# Altium PCB INF_PRO_V2.0.PcbDoc (continued)
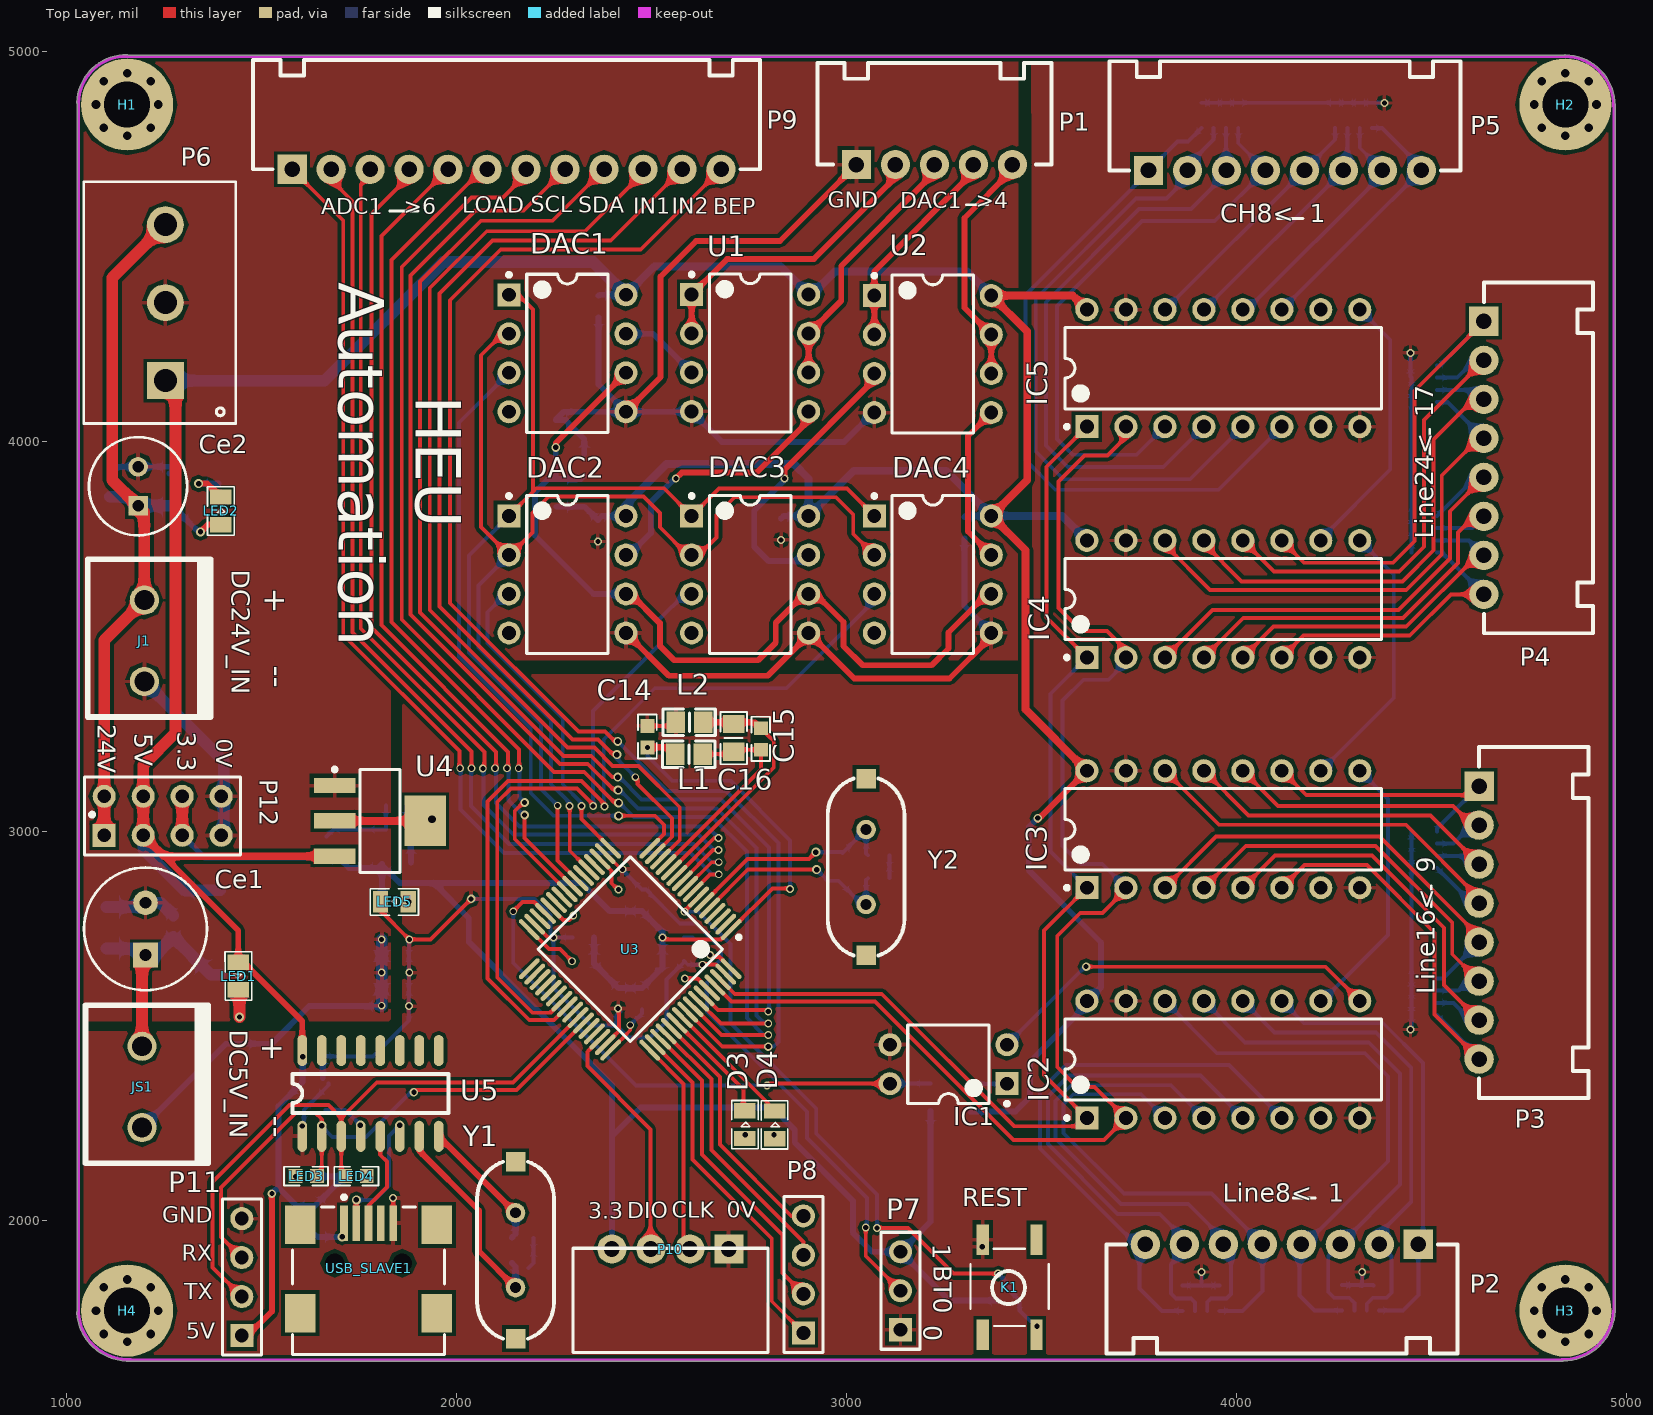
[diagram p0: Top Layer view]
## Part data
C1 C2 C3 C4 C5 C6 C9 C12 C13 C14 C15 C17 C18 C19 C20 C21 C22 C23 C24 C25 C*1: library part Cap, "Capacitor"
C7 C8 C10 C11 C16: library part "Cap Pol", "Polarized Capacitor (Axial)"
Ce1 Ce2: library part "Cap Elec"
D1 D2: library part "D Zener", "Zener Diode"
D3 D4 LED1 LED2 LED3 LED4 LED5: library part LED, "Typical RED, GREEN, YELLOW, AMBER GaAs LED"
DAC1 DAC2 DAC3 DAC4: library part TLC5616_DAC
F1 F2: "Fuse"
F3: library part "Fuse 1", "Fuse"
J1 JS1: library part HEAD2
L1 L2: library part Inductor, "Inductor"
P1: "Header, 5-Pin"
P2 P3 P4 P5: "Header, 8-Pin"
P6 P7: "Header, 3-Pin"
P8 P10 P11: "Header, 4-Pin"
P9: "Header, 12-Pin"
P12: "Header, 4-Pin, Dual row"
R1 R2 R3 R4 R5 R6 R7 R8 R9 R10 R11 R12 R13 R14 R15 R16 R17 R18 R19 R20 R21 R22: library part RES_SMD, "Resistor"
Rf1 Rf2 Rf3 Rf4 Rf5 Rf6 Rf7 Rf8: library part RES_4P
U1 U2: library part AD8667, "双运放"
U3: library part STM32F103RBT6
U5: "USB2UART"
USB_SLAVE1: library part USB5
Y1 Y2: "Crystal Oscillator"

## Via types
v1: diameter 20, hole 13, Top Layer to Bottom Layer, 57 vias
v2: diameter 23, hole 14, Top Layer to Bottom Layer, 22 vias
v3: diameter 22, hole 13, Top Layer to Bottom Layer, 9 vias
v4: diameter 30, hole 20, Top Layer to Bottom Layer, 1 vias

## Nets (pads, with @x,y where several pads share a name; then routed paths per layer and width w, separated by ;. In a path a pad name is that pad's centre, name@x,y a point inside that pad or via, vN(x,y) a via of type N, cw(c..) or ccw(c..) an arc to the next point about the centre after c; other vN are vias at no path point)
165CLK: IC2.2 IC3.2 IC4.2 IC5.2 U3.61 | length 3654.3
  Top Layer w10: U3.61 2705.27,2563 3074,2563 3429,2208 3660.97,2208 IC2.2 3637.03,2344 3592,2344 3541,2395 3541,2731 3600,2790 3657,2790 3717,2850 IC3.2 ; IC4.2@3717,3431 IC4.2 3717,3465 3669,3513 3603,3513 3544,3572 3544,3896 3611,3963 3670,3963 3717,4010 IC5.2
  Bottom Layer w10: IC3.2 3656.53,2915 3602,2915 3555,2962 3555,3335 3608,3388 3672,3388 3717,3433 IC4.2
165DATA: IC1.4 R1.1 U3.29 | length 1439
  Top Layer w10: v1(2146,2794) 2170,2818 2199.73,2818 U3.29 ; v1(2797,2347) 2802,2352 IC1.4
  Bottom Layer w10: v1(2146,2794) 2146,2662 2461,2347 v1(2797,2347) ; IC1.4@3112.43,2352.43 R1.1
165SH: IC2.1 IC3.1 IC4.1 IC5.1 U3.62 | length 3152.2
  Top Layer w10: U3.62 2714.11,2582 3091,2582 3430,2243 3595.97,2243 IC2.1 3507,2374.03 3507,2744.53 IC3.1 ; U3.62@2679.58,2615.57 U3.62@2694.63,2600.51 ; IC4.1 3514,3548.03 3514,3934 IC5.1
  Bottom Layer w10: IC3.1 3524,2947.53 3524,3352.03 IC4.1
595LOAD: P9.7 U3.57 | length 3188.4
  Top Layer w10: P9.7 2179,4684 2120,4625 2039,4625 1860,4446 1860,3542 2251,3151 2328,3151 2407,3072 v2(2416,3072) ; U3.57 2679.92,2477 v1(2800,2477)
  Bottom Layer w10: v2(2416,3072) 2419.06,3072 2455.06,3036 2656,3036 2745,2947 2745,2520 2788,2477 v1(2800,2477)
595SCL: P9.8 U3.58 | length 3183.9
  Top Layer w10: P9.8 2173,4591 2049,4591 1883,4425 1883,3555 2266,3172 2337,3172 2404,3105 v2(2415,3105) ; U3.58 2678.76,2506 v1(2800,2506)
  Bottom Layer w10: v2(2415,3105) 2419.06,3105 2466.06,3058 2668,3058 2770,2956 2770,2527 2791,2506 v1(2800,2506)
595SDK: P9.9 U3.59 | length 3187.1
  Top Layer w10: P9.9 2247,4565 2063,4565 1907,4409 1907,3560 2275,3192 2346,3192 2400,3138 v2(2414,3138) ; U3.59 2671.6,2541 2796,2541 v1(2800,2537)
  Bottom Layer w10: v2(2414,3138) 2418.06,3138 2475.06,3081 2679,3081 2802,2958 2802,2544 v1@2797,2539
ADC1: P9.1 U3.8 | length 2634.4
  Top Layer w10: P9.1 1710,4566 1710,3503 2008,3205 v1@2008,3157 ; U3.8 2651.06,2888.14 2672.14,2888.14 v1(2673,2889)
  Bottom Layer w10: v1@2011,3157 2011,3055 2122,2944 2601,2944 2656,2889 v1(2673,2889)
  other v1: 2010,3161
ADC2: P9.2 U3.9 | length 2580.7
  Top Layer w10: P9.2 1679,4670 1734,4615 1734,3509 2039,3204 v1(2039,3161) ; U3.9 2655.08,2920 v1(2673,2920)
  Bottom Layer w10: v1@2038,3160 2038,3064 2135,2967 2608,2967 2655,2920 v1(2673,2920)
ADC3: P9.3 U3.10 | length 2543.2
  Top Layer w10: P9.3 1779,4681 1755,4657 1755,3519.43 2072,3202.43 v1@2072,3163 ; U3.10 2658.24,2951 v1(2672,2951)
  Bottom Layer w10: v1@2070,3160 2070,3067 2146,2991 2621,2991 2661,2951 v1(2672,2951)
  other v1: 2068,3160
ADC4: P9.4 U3.11 | length 2548.4
  Top Layer w10: P9.4 1879,4678 1783,4582 1783,3522 2102,3203 v1@2102,3162 ; U3.11 2661.4,2982 v1(2672,2982)
  Bottom Layer w10: v1@2102,3160 2102,3072 2162,3012 2643,3012 v1@2672.5,2982.5
  other v1: 2099,3161
ADC5: P9.5 U3.24 | length 2104.1
  Top Layer w10: P9.5 1808,4526 1808,3528 2133,3203 v1@2133,3162 ; v3(2175,3041) 2175,2981.92 U3.24
  Bottom Layer w10: v1@2134,3153 2134,3078.64 v3@2173.32,3039.32
  other v1: 2130,3161
ADC6: P9.6 U3.25 | length 2171.1
  Top Layer w10: P9.6 2067,4697 1834,4464 1834,3536.04 2161,3209.04 2161,3162 v1(2160,3161) ; v3(2175,3073) 2171.64,3073 2150,3051.36 2150,2979.08 U3.25
  Bottom Layer w10: v1(2160,3161) 2162,3159 2162,3086 v3(2175,3073)
AGND: C1.2 C2.2 C3.2 C4.2 C5.1 C6.1 C7.2 C8.2 C9.1 C10.2 C*1.2 Ce1.2 Ce2.2 D1.1 D2.1 DAC1.5 DAC2.5 DAC3.5 DAC4.5 J1.2 JS1.2 P1.1 P6.2 P12.4 P12.8 R3.2 R5.1 R6.1 R7.1 R10.1 R12.2 U1.4 U2.4 U4.1 | length 5705.3
  Top Layer w15: DAC2.5 2545,3398 2799,3398 2903.5,3502.5 DAC3.5 3020.5,3391 3265,3391 3372,3498 DAC4.5 ; DAC1.5 2524,4164 2524,4422 2615,4513 2830,4513 P1.1
  Bottom Layer w10: D1.1 1684.87,3003.87 1819.44,3003.87 C6.1
  Bottom Layer w15: C*1.2 1130.44,3934 Ce2.2 1278.15,3934 C10.2 C10.2@1264.41,3916.56 ; Ce1.2@1192.22,2805.15 Ce1.2 ; JS1.2 1409.23,2454.57 R10.1 1526.57,2454.57 1623,2551 R7.1 ; C5.1 2328,4005 2278.57,4054.43 R3.2 2275.57,4075 DAC1.5 ; C1.2 2365,4145 DAC1.5 ; U2.4 3070,4073 2995,3998 2681.5,3998 U1.4 2602.5,4075 DAC1.5 ; C4.2 3303,3577 DAC4.5
  Bottom Layer w30: C8.2 Ce1.2@1192.22,2805.15 ; J1.2 1404,3179.34 1404,2996 P12.4 ; Ce1.2 1241.63,2815.93 C9.1 ; R7.1 v1(1808.57,2552) v1(1808.57,2637) v1(1808.57,2722)
  other v1: 2363,3742.44 2833,3746.44
BEEP: P9.12 U3.56 | length 3475.9
  Top Layer w10: v2@2408,3228 2381,3255 2313,3255 1984,3584 1984,4361 2114,4491 2473,4491 P9.12 ; U3.56 2682.08,2447 v3@2789,2447
  Bottom Layer w10: v2(2414,3230) 2422.5,3221.5 2422.56,3221.5 2437.5,3206.56 2437.5,3206.5 2541,3103 2692,3103 2826,2969 2826,2459 2814,2447 v3(2800,2447)
BOOT0: P7.2 R9.1 | length 997.9
  Top Layer w10: v1(3050,1983) 3050,1910 P7.2
  Bottom Layer w10: R9.1 2642.56,2536.44 2899,2280 2899,2213 3053,2059 v1@3053,1983
CH1: IC5.11 P5.8 Rf7.1 | length 681.7
  Bottom Layer w10: IC5.11 4317,4537 4318,4537 P5.8 4475,4701 4373.5,4802.5 Rf7.1
CH2: IC5.12 P5.7 Rf7.2 | length 644.4
  Bottom Layer w10: IC5.12 4028,4337 4375,4684 P5.7 4316.75,4752.25 Rf7.2
CH3: IC5.13 P5.6 Rf7.3 | length 618.6
  Bottom Layer w10: IC5.13 3918,4337 P5.6 4285.25,4704.25 Rf7.3
CH4: IC5.14 P5.5 Rf7.4 | length 647
  Bottom Layer w10: IC5.14 3818,4337 P5.5 4253.76,4772.76 Rf7.4
CH5: IC5.3 P5.4 Rf8.1 | length 1480.9
  Bottom Layer w10: IC5.3 3745,3965 3580,3965 3540,4005 3540,4346 3758,4564 3945,4564 P5.4 4005.24,4763.76 Rf8.1
CH6: IC5.4 P5.3 Rf8.2 | length 1555
  Bottom Layer w10: IC5.4 3813,3933 3568,3933 3512,3989 3512,4356 3751,4595 3884,4595 3975,4686 P5.3 3973.75,4695.25 Rf8.2
CH7: IC5.5 P5.2 Rf8.3 | length 1680.5
  Bottom Layer w10: Rf8.3 3942.25,4773.25 3875,4706 P5.2 3875,4676 3821,4622 3743,4622 3486,4365 3486,3973 3557,3902 3882,3902 IC5.5
CH8: IC5.6 P5.1 Rf8.4 | length 1814.8
  Top Layer w10: IC5.6@4112,4037 IC5.6
  Bottom Layer w10: Rf8.4 3876.26,4768 3849,4768 P5.1 3775,4690 3460,4375 3460,3951 3536,3875 3955,3875 IC5.6
CH340_D+: U5.5 USB_SLAVE1.3 | length 249.5
  Top Layer w10: USB_SLAVE1.3 1775,2040 1822,2087 1822,2152 1805,2169 U5.5
CH340_D-: U5.6 USB_SLAVE1.2 | length 324.4
  Top Layer w10: USB_SLAVE1.2 v2@1743.5,2053.5
  Bottom Layer w10: v2(1744,2054) 1790,2054 1827,2091 1827,2218 v2(1855,2246)
DAC_CS1: DAC1.3 U3.16 | length 1658.2
  Top Layer w10: v2(2416,3039) 2510,3039 2533,3016 2533,2992.79 U3.16
  Bottom Layer w10: DAC1.3 2007,4047 2007,3447 2190.94,3263.06 2190.94,3097 2248.94,3039 v2(2416,3039)
DAC_CS2: DAC2.3 U3.17 | length 810.4
  Top Layer w10: v1(2321,3064) 2321,3030.79 U3.17
  Bottom Layer w10: DAC2.3 2127,3608 2080,3561 2080,3482 2273,3289 2273,3120 2321,3072 v1(2321,3064)
DAC_CS3: DAC3.3 U3.39 | length 1605.3
  Top Layer w10: U3.39 2241.24,2534 2195,2534 2105,2624 2105,3074 2140,3109 2309.94,3109 2351,3067.94 v1(2351,3064)
  Bottom Layer w10: v1(2351,3064) 2351,3308 2520,3477 2520,3542 2586,3608 DAC3.3
DAC_CS4: DAC4.3 U3.40 | length 2100.2
  Top Layer w10: U3.40 2250.08,2515 2187.13,2515 2080,2622.13 2080,3075.87 2132.13,3128 2320.94,3128 2380,3068.94 v1(2380,3063)
  Bottom Layer w10: v1(2380,3063) 2378,3065 2378,3235 2509,3366 2847,3366 3072,3591 DAC4.3
DAC_IN: DAC1.1 DAC2.1 DAC3.1 DAC4.1 U3.23 | length 2691.7
  Top Layer w10: DAC2.1 2197,3870 2197,4337 2159,4375 DAC1.1 ; 2197,3871 2204.93,3878.93 2532.57,3878.93 DAC3.1 2673.5,3878 3002,3878 DAC4.1 ; v1(2260,3065) 2260,2924.76 U3.23
  Bottom Layer w10: DAC2.1 2033,3706 2033,3458 2217,3274 2217,3108 v1(2260,3065)
DAC_SCLK: DAC1.2 DAC2.2 DAC3.2 DAC4.2 U3.21 | length 2891.7
  Top Layer w10: DAC1.2 2118,4275 2063,4220 2063,3780 DAC2.2 2138,3708 2195,3765 2195,3816 2237,3858 2480,3858 2522,3816 2522,3779 2593,3708 DAC3.2 2622,3708 2667,3753 2667,3810 2713,3856 2974,3856 3018,3812 3018,3762 DAC4.2 ; v1@2291,3064 2291,2949.44 U3.21
  Bottom Layer w10: DAC2.2 2057,3630 2057,3471 2243,3285 2243,3120 2290,3073 v1(2290,3064)
GND: C11.2 C12.1 C13.2 C14.1 C17.2 C18.2 C19.2 C20.1 C21.1 C22.1 C23.1 C24.2 C25.2 IC1.3 IC2.8 IC2.15 IC3.8 IC3.15 IC4.8 IC4.15 IC5.8 IC5.15 K1.1 L2.1 LED5.2 P7.1 P10.1 P11.4 R5.2 R6.2 R7.2 R14.1 Rf1.5 Rf1.6 Rf1.7 Rf1.8 Rf2.5 Rf2.6 Rf2.7 Rf2.8 Rf3.5 Rf3.6 Rf3.7 Rf3.8 Rf4.5 Rf4.6 Rf4.7 Rf4.8 Rf5.5 Rf5.6 Rf5.7 Rf5.8 Rf6.5 Rf6.6 Rf6.7 Rf6.8 Rf7.5 Rf7.6 Rf7.7 Rf7.8 Rf8.5 Rf8.6 Rf8.7 Rf8.8 U3.18 U3.31 U3.47 U3.63 U5.1 USB_SLAVE1.5 | length 4805
  Top Layer w10: LED5.2 1805.57,2795.87 v1(1879.43,2722) 1934,2722 v3(2038,2826) ; USB_SLAVE1.5 v1(1838,2059) ; U3.31 2235.05,2727 v1(2249,2727) ; U3.47 2417,2487.05 2417,2543 v1(2415,2545) ; U3.18 2382.94,2941.98 2422.92,2902 v1(2426,2902) ; C14.1 L2.1@2553.13,3269.56 ; v1(2631,2657) 2631.84,2657.84 2664.44,2657.84 2664.44,2657 2666.95,2657 U3.63
  Bottom Layer w10: v1(1605,2244) 1609.44,2248.44 C13.2 1609.44,2285.11 1641.04,2316.72 1641.16,2316.72 1672.43,2347.99 C11.2 ; C12.1 1786,2422 1878.43,2514.43 v1(1878.43,2551) 1878.43,2721 v1(1879.43,2722) ; v3(2038,2826) 2200.44,2826 R14.1 2241.44,2734.56 v1(2249,2727) ; C22.1@2185,1879.44 C22.1 C21.1 ; C20.1 v1(2249,2727) ; C18.2@2421,2537 2411,2527 2411,2501.05 ; v1(2426,2902) 2426,2899.56 C19.2 2486.44,2849.56 2573,2763 2615,2763 2679,2699 2679,2671 2665,2657 v1(2631,2657) 2593.56,2657 C17.2 2583.56,2663.35 2539,2618.79 2539,2512 2497,2470 2442.05,2470 2411,2501.05 ; C24.2 C25.2 ; Rf2.5 Rf2.6 3908,1834.5 ; Rf8.5 Rf8.6 Rf8.7 Rf8.8 Rf7.5 Rf7.6 Rf7.7 Rf7.8 4379.5,4867.5 v1(4380,4867) ; v1(3911,1869) 3911,1837.5 3908,1834.5 ; Rf2.8 Rf2.7 3908,1834.5 ; Rf1.5 Rf1.6 4320.5,1835.5 4323,1833 Rf1.7@4323,1835.5 ; v1(4323,1869) Rf1.7@4323,1835.5 ; 4352,1834 4350.5,1835.5 Rf1.7 Rf1.7@4323,1835.5 ; v1(4447,2491) 4449.5,2493.5 Rf4.5 Rf4.6 Rf4.7 Rf4.8 Rf3.5 Rf3.6 Rf3.7 Rf3.8 ; v1(4447,4226) 4447,4165.25 Rf5.7 Rf5.6 Rf5.5 Rf6.8 Rf6.7 Rf6.6 Rf6.5 ; v1(2249,2727) 2249,2597 2344.95,2501.05 2411,2501.05
  Bottom Layer w15: C11.2@1657.56,2366.87 C12.1
  other v1: 1879.43,2637
  other v2: 3349,1934
INT1: P9.10 U3.14 | length 2508
  Top Layer w10: P9.10 2479,4687 2330,4538 2078,4538 1932,4392 1932,3567 2285,3214 2354,3214 2401,3167 2467,3167 2573,3061 2573,2977.11 U3.14
INT2: P9.11 U3.15 | length 2498.9
  Top Layer w10: v2(2412,3196) 2402,3196 2363,3235 2298,3235 1957,3576 1957,4378 2093,4514 2396,4514 P9.11 ; v1(2459,3138) 2465,3132 2465,3121 2553.21,3032.79 2553.21,2985.16 U3.15
  Bottom Layer w10: v2(2412,3196) 2412,3185 v1(2459,3138)
LED0: D3.2 U3.54 | length 288.2
  Top Layer w10: U3.54 2736,2337.4 D3.2@2736,2290
LED1: D4.2 U3.55 | length 337.5
  Top Layer w10: U3.55 2816,2285.24 D4.2
LINE1: IC2.11 P2.1 Rf1.1 | length 1145
  Bottom Layer w10: IC2.11 4174.03,2507 4377,2507 4479,2405 4479,1952 P2.1 4467,1810 4427.5,1770.5 Rf1.1
LINE2: IC2.12 P2.2 Rf1.2 | length 1217.7
  Bottom Layer w10: IC2.12 4098.03,2483 4358,2483 4449,2392 4449,2050 4367,1968 P2.2 4398,1909 4398,1816 4385,1803 4351,1803 4334.75,1786.75 Rf1.2
LINE3: IC2.13 P2.3 Rf1.3 | length 1314.5
  Bottom Layer w10: IC2.13 4023.03,2458 4340,2458 4420,2378 4420,2093 P2.3 4236,1909 4236,1818 4251,1803 4290,1803 4303.25,1789.75 Rf1.3
LINE4: IC2.14 P2.4 Rf1.4 | length 1433.7
  Bottom Layer w10: IC2.14 3951.03,2430 4330,2430 4389,2371 4389,2153 4162,1926 4162,1809 4200.5,1770.5 Rf1.4
LINE5: IC2.3 P2.5 Rf2.1 | length 1249.3
  Bottom Layer w10: IC2.3 3756.03,2325 3582,2325 3557,2300 3557,2225 3712,2070 3937,2070 P2.5 4067,1820 4016.5,1769.5 Rf2.1
LINE6: IC2.4 P2.6 Rf2.2 | length 1305.8
  Bottom Layer w10: IC2.4 3833.03,2348 3577,2348 3537,2308 3537,2211 3705,2043 3877,2043 3967,1953 P2.6 3987,1920 3987,1813 3975,1801 3935,1801 3925.75,1791.75 Rf2.2
LINE7: IC2.5 P2.7 Rf2.3 | length 1387
  Bottom Layer w10: Rf2.3 3894.25,1790.75 3884,1801 3846,1801 3833,1814 3833,1889 3867,1923 P2.7 3867,1955 3804,2018 3696,2018 3517,2197 3517,2319 3571,2373 3908.03,2373 IC2.5
LINE8: IC2.6 P2.8 Rf2.4 | length 1455.5
  Bottom Layer w10: Rf2.4 3809.5,1769.5 3752,1827 3752,1940 3743,1940 3497,2186 3497,2333 3564,2400 3981.03,2400 IC2.6
LINE9: IC3.11 P3.1 Rf3.1 | length 702.1
  Top Layer w10: IC3.11 4179.53,3092 4600,3092 P3.1
  Bottom Layer w10: Rf3.1 4514.5,3006.5 P3.1
LINE10: IC3.12 P3.2 Rf3.2 | length 791.9
  Top Layer w10: IC3.12 4107.53,3064 4556,3064 4605,3015 P3.2
  Bottom Layer w10: Rf3.2 4556.75,2967.75 4604,3015 P3.2
LINE11: IC3.13 P3.3 Rf3.3 | length 922.5
  Top Layer w10: IC3.13 4031.53,3040 4498,3040 P3.3
  Bottom Layer w10: Rf3.3 4601.75,2936.25 P3.3
LINE12: IC3.14 P3.4 Rf3.4 | length 1099.9
  Top Layer w10: IC3.14 3955.53,3016 4435,3016 4623,2828 P3.4
  Bottom Layer w10: Rf3.4 4604.26,2815 P3.4
LINE13: IC3.3 P3.5 Rf4.1 | length 1128.4
  Top Layer w10: IC3.3 3948.47,2986 4367,2986 4623,2730 P3.5
  Bottom Layer w10: Rf4.1 4530.24,2622.24 P3.5
LINE14: IC3.4 P3.6 Rf4.2 | length 1060.2
  Top Layer w10: IC3.4 4024.47,2962 4357,2962 4554,2765 4554,2684 P3.6
  Bottom Layer w10: Rf4.2 4570.75,2590.75 4595,2615 P3.6
LINE15: IC3.5 P3.7 Rf4.3 | length 1027.9
  Top Layer w10: IC3.5 4099.47,2937 4348,2937 4533,2752 4533,2605 P3.7
  Bottom Layer w10: Rf4.3 4556.75,2559.25 4601,2515 P3.7
LINE16: IC3.6 P3.8 Rf4.4 | length 1017.2
  Top Layer w10: IC3.6 4175.47,2913 4335,2913 4509,2739 4509,2529 P3.8
  Bottom Layer w10: Rf4.4 4623,2419.26 P3.8
LINE17: IC4.11 P4.1 Rf5.1 | length 1191.3
  Top Layer w10: IC4.11 4174.03,3688 4402,3688 4457,3743 4457,4129 P4.1
  Bottom Layer w10: Rf5.1 4522.24,4194.24 P4.1
LINE18: IC4.12 P4.2 Rf5.2 | length 1204.9
  Top Layer w10: IC4.12 4097.03,3665 4418,3665 4482,3729 4482,4054 P4.2
  Bottom Layer w10: Rf5.2 4566.75,4162.75 4611,4207 P4.2
LINE19: IC4.13 P4.3 Rf5.3 | length 1256.6
  Top Layer w10: IC4.13 3917,3737 4014,3640 4426,3640 4506,3720 4506,4004 4609,4107 P4.3
  Bottom Layer w10: Rf5.3 4610.75,4131.25 P4.3
LINE20: IC4.14 P4.4 Rf5.4 | length 1316
  Top Layer w10: IC4.14 3817,3734 3933,3618 4436,3618 4527,3709 4527,3912 4622,4007 P4.4
  Bottom Layer w10: Rf5.4 4542.24,4099.76 P4.4
LINE21: IC4.3 P4.5 Rf6.1 | length 1241.6
  Top Layer w10: IC4.3 3938.97,3567 4416,3567 4548,3699 4548,3820 P4.5
  Bottom Layer w10: Rf6.1 4613.26,3907 P4.5
LINE22: IC4.4 P4.6 Rf6.2 | length 1047.2
  Top Layer w10: IC4.4 4017.97,3546 4428,3546 4569,3687 4569,3766 4610,3807 P4.6
  Bottom Layer w10: Rf6.2 4604.75,3776.75 P4.6
LINE23: IC4.5 P4.7 Rf6.3 | length 862.9
  Top Layer w10: IC4.5 4095.97,3524 4436,3524 4619,3707 P4.7
  Bottom Layer w10: Rf6.3 4596.75,3745.25 P4.7
LINE24: IC4.6 P4.8 Rf6.4 | length 749.8
  Top Layer w10: IC4.6 4172.97,3501 4445,3501 4551,3607 P4.8
  Bottom Layer w10: Rf6.4 4528.24,3713.76 P4.8
NetC5_2: C5.2 DAC1.6 DAC2.6 DAC3.6 DAC4.6 R3.1 R4.2 | length 2251.3
  Top Layer w15: v2(2255,3983.57) 2255,3995 DAC1.6 ; DAC2.6 2447,3608 2522,3533 2522,3475 2559,3438 2774,3438 2819,3483 2819,3534 2893,3608 DAC3.6 2921,3608 2993,3536 2993,3474 3042,3425 3219,3425 3262,3468 3262,3509 3361,3608 DAC4.6
  Bottom Layer w15: v2(2255,3983.57) 2255,3904.43 R4.2 ; C5.2 2318.99,3902.43 R4.2 ; DAC2.6 2352,3608 2202,3758 2202,3869 2235.43,3902.43 R4.2
NetC6_2: C6.2 C7.1 F1.1 U4.2 U4.4 | length 450.2
  Top Layer w20: U4.2 U4.4
  Bottom Layer w15: C6.2 1874.56,3005.87 C7.1 ; F1.1@1883.43,2919 C7.1 ; v4(1938,3030) 1905,2997 C7.1
NetC8_1: C8.1 C9.2 Ce1.1 F2.1 JS1.1 | length 596
  Top Layer w30: JS1.1 1194,2673.07 Ce1.1
  Bottom Layer w30: C8.1 1186.22,2698.85 Ce1.1 1227.63,2682.07 C9.2 1370.71,2631.73 F2.1
NetC13_1: C13.1 U5.4 | length 105.6
  Bottom Layer w10: C13.1 1715,2285 v2(1754,2246)
NetC21_2: C21.2 U5.8 Y1.1 | length 346.1
  Top Layer w15: U5.8 2151,2021 Y1.1
  Bottom Layer w15: C21.2 2152,1966.56 Y1.1
NetC22_2: C22.2 U5.7 Y1.2 | length 557.5
  Top Layer w15: U5.7 1905,2180 2058,2027 2058,1922.87 Y1.2
  Bottom Layer w15: C22.2 2152,1882.44 Y1.2
NetD3_1: D3.1 R20.2
  other v1: 2741,2221
NetD4_1: D4.1 R21.2
  other v1: 2815,2221
NetDAC1_7: DAC1.7 U1.3 | length 209.5
  Bottom Layer w15: DAC1.7 2504.5,4275 U1.3
NetDAC2_7: DAC2.7 U1.5 | length 670.9
  Top Layer w10: U1.5@2903.5,4052.5 U1.5
  Top Layer w15: v1(2563,3904) 2578,3919 2770,3919 U1.5@2903.5,4052.5
  Bottom Layer w15: DAC2.7 2443,3708 2499,3764 2499,3843 v1@2555,3899
NetDAC3_7: DAC3.7 U2.3 | length 744.9
  Top Layer w10: U2.3@3072,4157 U2.3
  Top Layer w15: v1(2842,3904) 2842,3927 U2.3@3072,4157
  Bottom Layer w10: DAC3.7@2887.5,3692 DAC3.7 ; U2.3@3059,4173 U2.3
  Bottom Layer w15: v1@2844,3902 2764,3822 2764,3729 2801,3692 DAC3.7@2887.5,3692
NetDAC4_7: DAC4.7 U2.5 | length 414.7
  Top Layer w15: DAC4.7 3312,3768 3312,4013 U2.5
NetF3_1: F3.1 USB_SLAVE1.1 | length 73.5
  Bottom Layer w10: F3.1 F3.1@1645.57,1959
  Bottom Layer w15: F3.1@1645.57,1959 v2(1707,1959)
NetIC1_1: IC1.1 R2.2 | length 94.2
  Bottom Layer w10: R2.2 3411.43,2351.43 IC1.1
NetIC1_2: IC1.2 IC2.9 | length 1024.3
  Top Layer w10: v3(3615,2652) 4229.03,2652 IC2.9
  Bottom Layer w10: IC1.2 3612,2652 v3(3615,2652)
NetIC2_10: IC2.10 IC3.9 | length 693.3
  Bottom Layer w10: IC2.10 4220.03,2564.03 4389,2733 4389,3082.53 IC3.9
NetIC3_10: IC3.10 IC4.9 | length 704
  Bottom Layer w10: IC3.10 4404,3341.53 4404,3658.03 IC4.9
NetIC4_10: IC4.10 IC5.9 | length 698
  Bottom Layer w10: IC4.10 4217,3749 4395,3927 4395,4259 IC5.9
NetLED1_2: LED1.2 R10.2 | length 70.8
  Top Layer w30: LED1.2 1444,2589.57 v2(1444,2523)
NetLED2_2: LED2.2 R12.1 | length 112.6
  Top Layer w15: v2(1339,3891) 1361.43,3891 LED2.2@1389,3863.43
  Bottom Layer w15: v2(1339,3891) 1389.57,3891 R12.1
NetLED3_1: LED3.1 R15.1
  other v2: 1588.44,2114
NetLED4_1: LED4.1 R17.2
  other v2: 1771.56,2113
NetLED5_1: LED5.1 R22.1
  other v2: 1878.43,2819
NetP1_2: P1.2 U1.1 U1.2 | length 779.8
  Top Layer w15: U1.2 U1.1 2694.5,4467 2917,4467 3126,4676 P1.2
NetP1_3: P1.3 U1.6 U1.7 | length 666.6
  Top Layer w15: U1.6 U1.7 2987,4359.5 2987,4449 3226,4688 P1.3
NetP1_4: P1.4 U2.1 U2.2 | length 541.2
  Top Layer w15: U2.2 U2.1 3072,4435 3326,4689 P1.4
NetP1_5: P1.5 U2.6 U2.7 | length 615.5
  Top Layer w15: U2.6 U2.7 3303,4342 3303,4572 3426,4695 P1.5
NetR8_1: R8.1 U3.64 | length 154.5
  Top Layer w10: v1(2651,2682) 2656.16,2676.84 2674.96,2676.84 U3.64
  Bottom Layer w10: R8.1 2606,2727 v1(2651,2682)
NetR9_2: R9.2 U3.60 | length 76
  Top Layer w10: v1(2586,2622) 2618.44,2622 U3.60
NetR11_1: R11.1 U3.48 | length 137.5
  Top Layer w10: U3.48 2395.89,2439.07 2413.46,2456.64 2414.1,2456.64 2429.53,2472.07 2429.53,2472.71 2446,2489.18 v1(2446,2502)
  Bottom Layer w10: v1(2446,2502) 2476,2532 R11.1
NetR13_2: R13.2 U3.19 | length 98.7
  Top Layer w10: U3.19 2398,2898.11 2398,2866 2414,2850 v1(2415.56,2850)
NetR14_2: R14.2 U3.28 | length 74.5
  Top Layer w10: U3.28 2273.56,2772 2289,2772 v1(2300,2783)
NetR16_2: R16.2 U3.32 | length 143.5
  Top Layer w10: U3.32 2237.21,2697 2266,2697 v1(2297,2666)
OSC_IN: C24.1 R18.2 U3.5 Y2.2 | length 548.3
  Top Layer w10: U3.5 2747.44,2901 v2(2924,2901)
  Bottom Layer w10: v2(2924,2901) 2952.67,2872.33 R18.2 3040.56,2811.64 Y2.2 3050.87,2874.32 C24.1
OSC_OUT: C25.1 R18.1 U3.6 Y2.1 | length 563.2
  Top Layer w10: U3.6 2746.6,2928 2904,2928 v2(2922,2946)
  Bottom Layer w10: v2(2922,2946) 2987.5,2946 2990.3,2943.2 Y2.1 3050.87,2942.2 C25.1
PA4: U3.20
PA6: U3.22
PA8: U3.41
PA9: LED4.2 P11.2 U3.42 U5.3 | length 1603
  Top Layer w10: P11.2 1375,1881 1375,2100 1572,2297 1672,2297 1705,2264 ; LED4.2@1705,2125.44 U5.3 1705,2264 ; U3.42 2145.76,2355 1796,2355 1705,2264
PA10: LED3.2 P11.3 U3.43 U5.2 | length 1507.4
  Top Layer w10: P11.3 1397,1959 1397,2086 1588,2277 1639,2277 1655,2261 v2(1655,2244) U5.2 1655,2127.44 LED3.2 ; v3@1891,2336 2154.6,2336 U3.43
  Bottom Layer w10: v2(1655,2244) 1655,2242 1682,2215 1768,2215 1889,2336 1891,2334 v3(1891,2330)
PA11: U3.44
PA12: U3.45
PA15: P8.1 U3.50 | length 891.9
  Top Layer w10: U3.50@2512.55,2448.53 2606,2355.08 2606,2158 2809,1955 2809,1794 P8.1
PB0: U3.26
PB1: U3.27
PB11: U3.30
PB12: U3.33
PB13: U3.34
PB14: U3.35
PB15: U3.36
PC6: U3.37 | length 5.1
  Top Layer w10: U3.37@2240.26,2587.73 2240.26,2589.66 2241.81,2591.21 U3.37
PC7: U3.38
PC10: P8.2 U3.51 | length 796.1
  Top Layer w10: U3.51@2530,2460 2630,2360 2630,2170 2836,1964 2836,1867 P8.2
PC11: P8.3 U3.52 | length 712.7
  Top Layer w10: U3.52 2654,2363.72 2654,2182 2890,1946 P8.3
PC12: P8.4 U3.53 | length 639
  Top Layer w10: U3.53 2676,2369.56 2676,2196 2859,2013 P8.4
PC13: U3.2
PC14: U3.3
PC15: U3.4
RESET: C23.2 K1.2 R19.2 U3.7 | length 1626.3
  Top Layer w10: v1(2585,2793) 2585,2794.24 U3.7 ; v1(3079,1982) 3158,1982 3275,1865 v1(3389.44,1865)
  Bottom Layer w10: v1(2585,2793) 2620,2793 2703,2710 2703,2508 2923,2288 2923,2224 3079,2068 v1(3079,1982) ; v1(3389.44,1865) 3412.84,1841.6 3412.84,1841.48 3419,1835.33 3419,1821.67 3444.56,1796.11 R19.2 3444.56,1770.44 3485,1730 v3(3489,1730)
SWCLK: P10.2 U3.49 | length 552.7
  Top Layer w10: U3.49 2583,2351.21 2583,1944 P10.2
SWDIO: P10.3 U3.46 | length 667.6
  Top Layer w10: 2341,2438.89 U3.46 2336,2433.89 2336,2397 2498,2235 P10.3@2498,1917
VCC5: C1.1 C2.1 C3.1 C4.1 C11.1 C12.2 DAC1.8 DAC2.8 DAC3.8 DAC4.8 F2.2 F3.2 IC2.16 IC3.16 IC4.16 IC5.16 LED1.1 P6.1 P11.1 P12.2 P12.6 R2.1 R4.1 R15.2 R17.1 U1.8 U2.8 U4.3 U5.16 | length 10920.1
  Top Layer w15: 1250.55,2935.45 1441,2745 LED1.1 1453.57,2663.43 1605,2512 U5.16 ; P11.1 1465,1706 1527,1768 v3(1527,2070) ; U1.8@2893,4376 U1.8 ; v3(3491,3033) 3491,3028.53 IC3.16
  Top Layer w20: P12.2 1250.55,2935.45 U4.3 ; IC3.16 3460,3311.53 3460,3720 DAC4.8 3464,3900 3464,4281 U2.8 3581,4373 IC5.16
  Top Layer w30: P12.2 P12.6 1197,3169 1280,3252 1280,4129 P6.1
  Bottom Layer w15: v3(1527,2070) 1542,2085 1544,2085 ; C11.1 1544,2294.43 1544,2085 ; C11.1@1602.44,2352.87 1606,2356.43 v2(1606,2421) ; R15.2 1715.44,2114 R17.1 1711.57,2113 F3.2 1590.57,2038.43 1544,2085 ; R4.1 2328.99,3831.57 C2.1 2373.44,3808 DAC2.8 ; C1.1 2367.44,4375 DAC1.8 ; C3.1 2839.44,3808 DAC3.8 ; U1.8 U1.8@2912,4376 ; C4.1 3305.44,3808 DAC4.8 ; R2.1 3433.57,2280.57 3471,2318 3471,2408 3617,2554 IC2.16 3618.03,2564.03 3653,2599 3653,2714 3468,2899 3468,3010 v3(3491,3033)
  Bottom Layer w20: DAC2.8 2435,3837 2539,3941 2866,3941 2903.5,3903.5 DAC3.8 3019.5,3924 3256,3924 DAC4.8 3554.03,3808 IC4.16 ; DAC1.8 2508,4448 2831.5,4448 U1.8 ; U1.8@2912,4376 2971,4435 3310,4435 U2.8
  Bottom Layer w30: P12.2 1197,2953 1301.73,2848.27 F2.2 ; P6.1 1662,4155 1966,4459 2351,4459 DAC1.8
VCC24: C10.1 C*1.1 Ce2.1 J1.1 LED2.1 P6.3 P12.1 P12.5 | length 2028.1
  Top Layer w15: v2(1344,3767) 1362.57,3785.57 LED2.1
  Top Layer w30: P12.1 P12.5 1097,3489 J1.1 1200,3818 Ce2.1 1118,3900 1118,4419 P6.3
  Bottom Layer w15: C10.1 1338.85,3767 v2(1344,3767)
  Bottom Layer w30: C*1.1@1112,3857.44 1160.56,3857.44 Ce2.1 1271.85,3834 C10.1
VDD: C14.2 C17.1 C18.1 C19.1 C20.2 D1.2 D2.2 F1.2 L1.1 P7.3 P10.4 P12.3 P12.7 R1.2 R8.2 R11.2 R13.1 R16.1 R19.1 R20.1 R21.1 R22.2 U3.1 | length 6088.3
  Top Layer w10: v1@2528,2722.24 2679.27,2722.24 2679.27,2724 2683,2724 2704.9,2745.9 U3.1 2810.79,2853 2854,2853 v1(2856,2851)
  Top Layer w15: v1(2490,3214.44) 2544.13,3214.44 L1.1
  Top Layer w30: P12.3 P12.7
  Bottom Layer w10: v1(2490,3214.44) 2490,3192 2553,3129 2703,3129 2856,2976 v1(2856,2851)
  Bottom Layer w15: P12.3 1354,2932 1661,2932 D1.2 1704,2926 D2.2 1798.57,2905 F1.2 F1.2@1809.57,2912.35 ; R22.2@1809.57,2821 F1.2@1809.57,2912.35 ; C20.2 2353.56,2659.56 C18.1 R11.2 2528.44,2649.56 C17.1 v1(2528.44,2727) 2528.44,2742 C19.1 R13.1 2393.44,2794.44 2320.88,2867 1942,2867 ; R1.2 3216,1998 P7.3 ; R19.1 3264,1796 P7.3 ; F1.2@1809.57,2912.35 1849.98,2871.94 1850.12,2871.94 1855.06,2867 1942,2867 ; 1942,2867 2032,2777 2032,2716 2399,2349 P10.4 2399,2217 2473,2291 2810.87,2291 2868,2233.87 2868,2201 3017,2052 3017,1970 3066,1921 P7.3
VDDA: C15.2 C16.1 L1.2 U3.13 | length 548.3
  Top Layer w10: U3.13 2781,3157.27 C15.2 2715.87,3208.44 C16.1 2704.43,3197 L1.2
VSSA: C15.1 C16.2 L2.2 U3.12 | length 639.6
  Top Layer w10: U3.12 2814,3162.44 2814,3230.56 2812.72,3231.84 2812.72,3231.96 2800.67,3244 2800.56,3244 C15.1
  Top Layer w15: L2.2 2765.56,3279 C15.1
pads on no net: DAC1.4 DAC2.4 DAC3.4 DAC4.4 H1.0 H1.1 H1.2 H1.3 H1.4 H1.5 H1.6 H1.7 H1.8 H2.0 H2.1 H2.2 H2.3 H2.4 H2.5 H2.6 H2.7 H2.8 H3.0 H3.1 H3.2 H3.3 H3.4 H3.5 H3.6 H3.7 H3.8 H4.0 H4.1 H4.2 H4.3 H4.4 H4.5 H4.6 H4.7 H4.8 IC2.7 IC3.7 IC4.7 IC5.7 IC5.10 K1.3 K1.4 U5.9 U5.10 U5.11 U5.12 U5.13 U5.14 U5.15 USB_SLAVE1.4 USB_SLAVE1.6 USB_SLAVE1.7 USB_SLAVE1.8 USB_SLAVE1.9 USB_SLAVE1.MH1 USB_SLAVE1.MH2 Y1. Y2.

## Polygon pours and split planes (outlines as drawn)
GND on Bottom Layer "Bottom Layer-No Net" (solid, remove dead copper, pour order 22): 3475,4974 3477,4976 4968,4976 4968,1649 4966,1651 1032,1651 1032,2487 1029,2490 1030,2491 1769,2491 1849,2491 1853,2495 1855,2497 1855,2757 1855,3407 1872,3424 1893,3403 3476,3403
AGND on Bottom Layer "Bottom Layer-No Net" (solid, remove dead copper, pour order 24): 3439,4977 3439,3443 3438,3442 2313,3442 1832,3442 1829,3439 1828,3438 1828,3253 1828,2517 1824,2513 1823,2512 1027,2512 1027,4985 1032,4990
GND on Top Layer "Bottom Layer-No Net" (solid, remove dead copper, pour order 18): 3475,4983 4951,4983 4972,4962 4972,1641 1042,1641 1027,1656 1032,1661 1032,2486 1859,2486 1861,2484 1861,2771 1861,3398 1858,3401 1859,3402 2766,3402 3477,3402
AGND on Top Layer "Bottom Layer-No Net" (solid, remove dead copper, pour order 26): 3437,4985 3441,4981 3441,3438 1830,3438 1828,3436 1832,3432 1832,3051 1832,2517 1829,2514 1827,2512 1035,2512 1035,4986 1034,4987

## Keep-outs
Keep-Out Layer:
  lines w7: 1031,1765 1031,4868 ; 1155,1643.99 4837,1643.99 ; 1156,4986.31 4844,4986.31 ; 4968.01,1770 4968.01,4858
  lines w8: 1031,1765 ccw(c1158.5,1772.5) 1166,1645 ; 1031,4868 cw(c1152.65,4864.65) 1156,4986.31 ; 4834,1645 ccw(c4838.33,1774.33) 4967.66,1770 ; 4844,4986.31 cw(c4841.68,4860.32) 4967.66,4858

## Silkscreen, mask and mechanical layers (free items; w line width, h text height)
Top Overlay:
  lines w6: 3307,4606 3363,4606 ; 4496,3966 4496,4030
  lines w7: 1829,4590 1902,4590 ; 4106,4571 4171,4571 ; 4146,2059 4203,2059 ; 4500,2806 4500,2859
  text "GND" at 2953,4584 h70
  text "DAC1  >4" at 3139,4583 h70
  text "SCL" at 2191,4572 h70
  text "LOAD" at 2015,4571 h70
  text "SDA" at 2313,4571 h70
  text "IN1" at 2454,4569 h70
  text "IN2" at 2552,4569 h70
  text "ADC1   >6" at 1654,4568 h70
  text "BEP" at 2659,4568 h70
  text "CH8<  1" at 3959,4546 h80
  text "Automation" at 1660,4407 h200 r270
  text "HEU" at 1857,4116 h200 r270
  text "Line24<  17" at 4521,3750 h80 r90
  text "DC24V_IN" at 1409,3670 h80 r270
  text "+" at 1490,3624 h100 r270
  text "--" at 1495,3424 h100 r270
  text "24V" at 1065,3274 h80 r270
  text "3.3" at 1270,3254 h80 r270
  text "5V" at 1160,3251 h80 r270
  text "0V" at 1370,3236 h70 r270
  text "Line16<  9" at 4525,2582 h80 r90
  text "DC5V_IN" at 1404,2490 h80 r270
  text "+" at 1483,2475 h100 r270
  text "--" at 1493,2270 h100 r270
  text "Line8<  1" at 3966,2034 h80
  text "REST" at 3298,2022 h80
  text "CLK" at 2553,1994 h70
  text "0V" at 2693,1994 h70
  text "DIO" at 2438,1993 h70
  text "3.3" at 2339,1992 h70
  text "GND" at 1246,1981 h70
  text "1" at 3207,1941 h80 r270
  text "BT0" at 3209,1887 h80 r270
  text "RX" at 1296,1884 h70
  text "TX" at 1302,1785 h70
  text "0" at 3260,1691 h80 r90
  text "5V" at 1308,1684 h70